# Altium PCB controller.PcbDoc (part 5 of 6)
Units mm, origin at the board's own origin, x right, y up, seen from the top; angles counter-clockwise.
Board outline 151 x 78 mm, 2 copper layers (Top Layer, Bottom Layer); 227 components, 202 nets, 805 pads, 125 vias.
Unrouted connection lines stored in the file: 1.
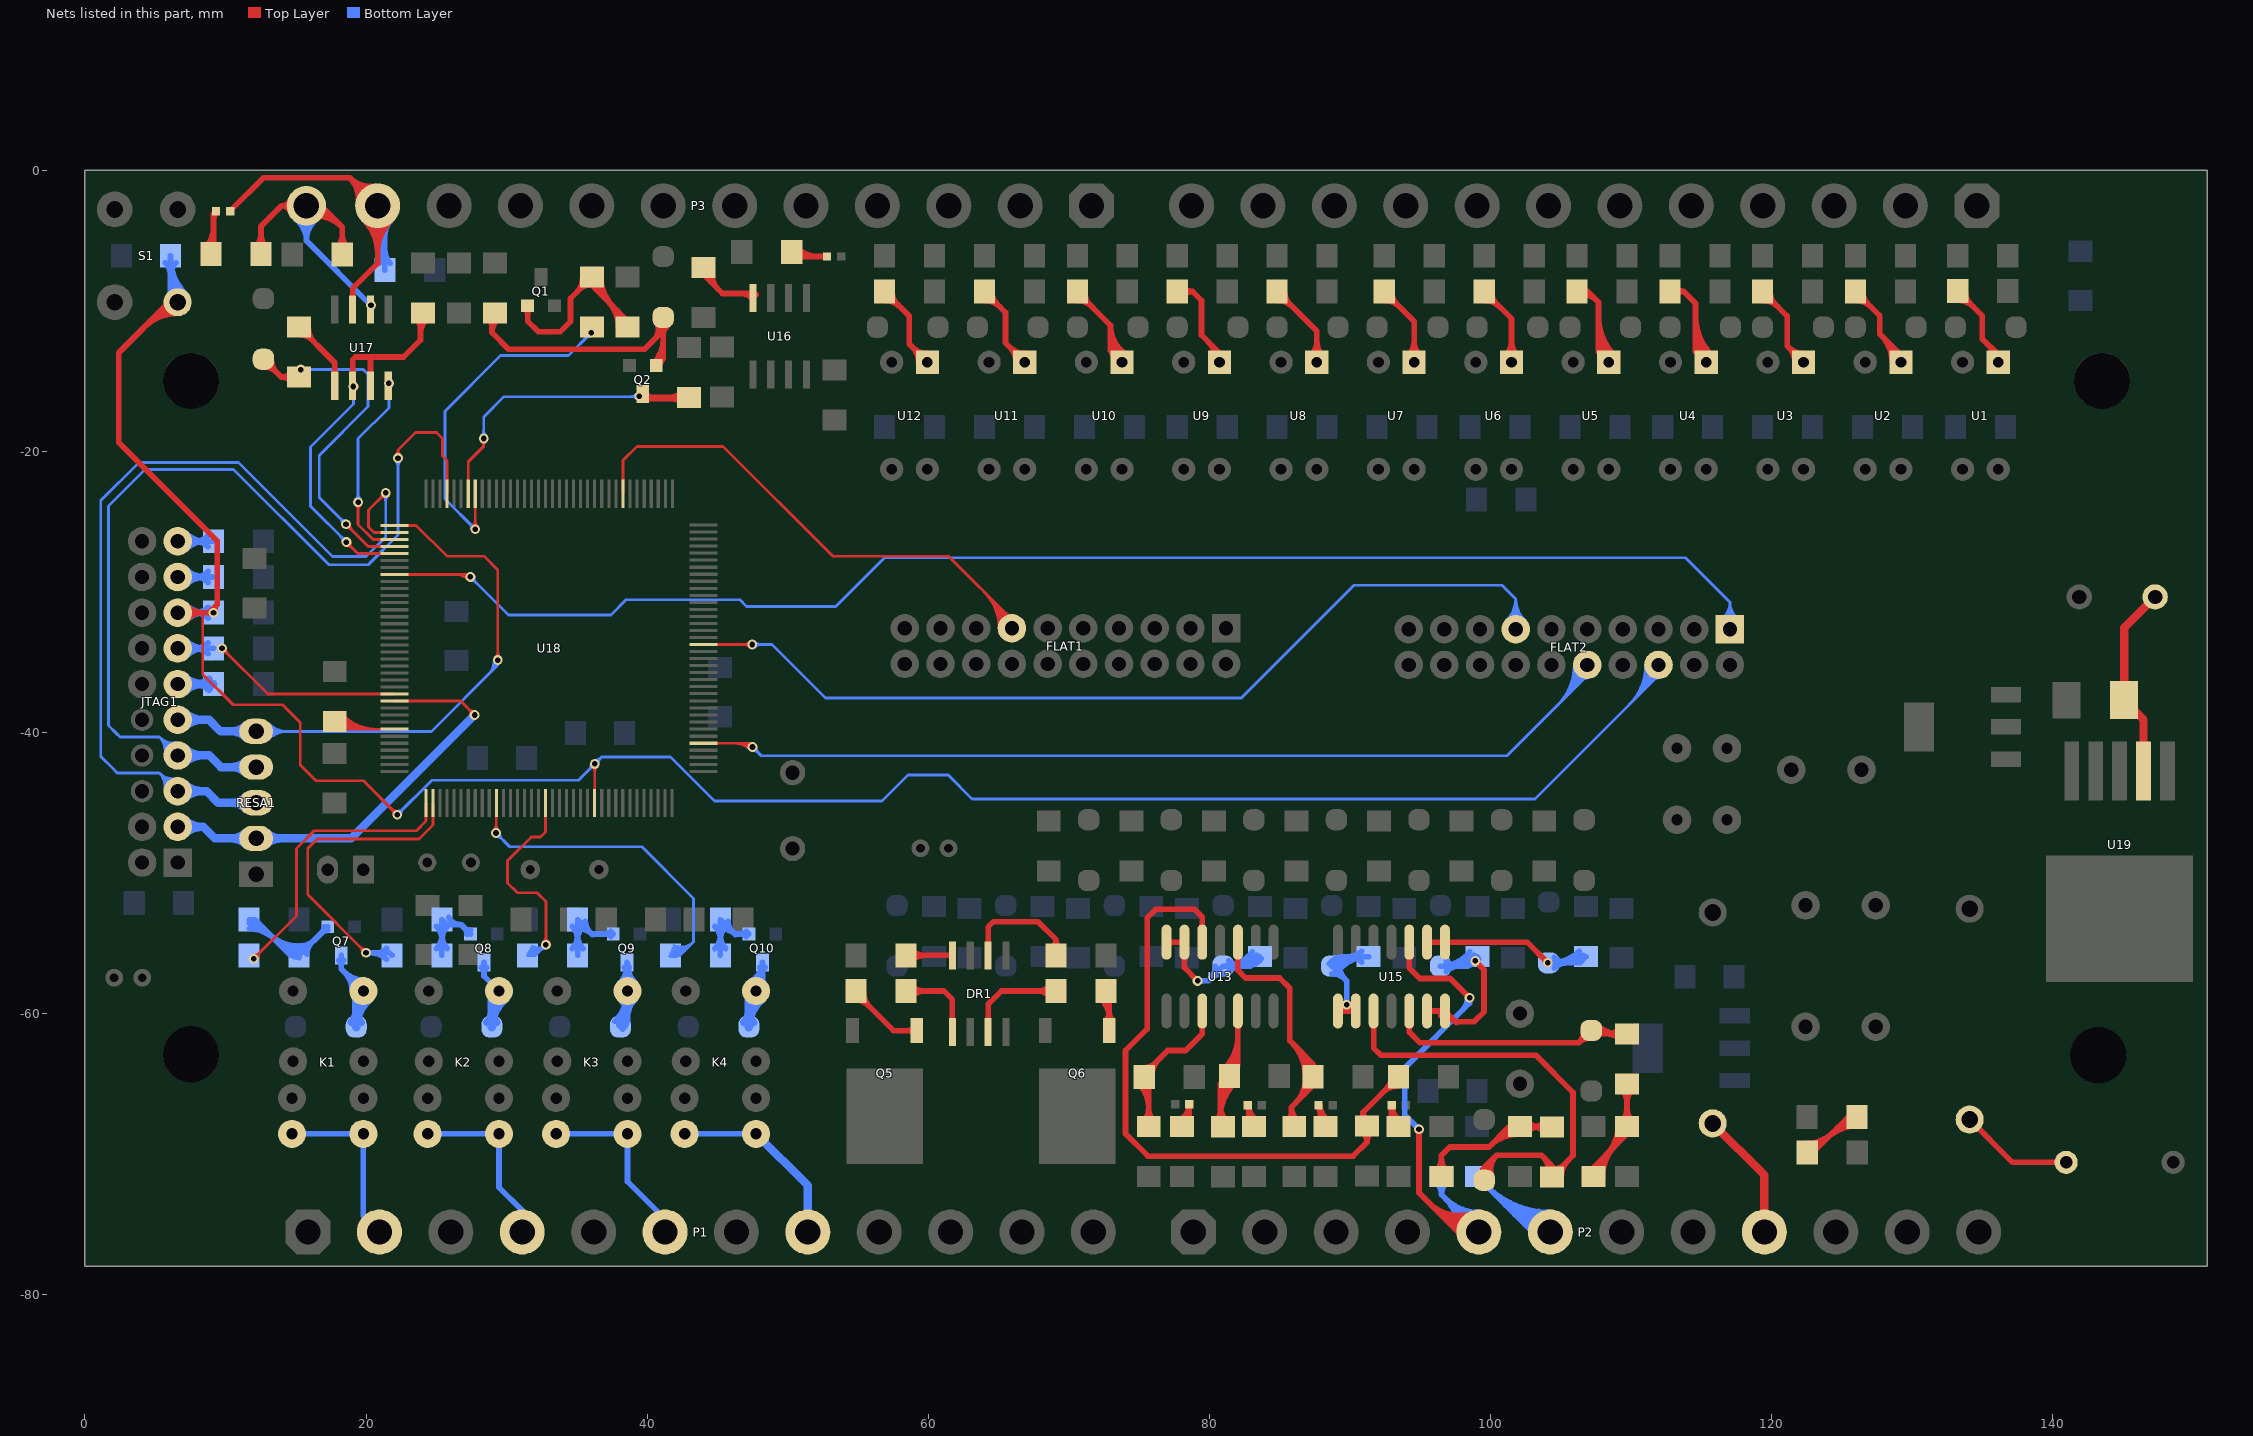
[diagram p5: the nets of this part, all layers, seen from the top]

## Via types
v1: diameter 0.7, hole 0.4, Top Layer to Bottom Layer, tented both sides, 124 vias
v2: diameter 0.8, hole 0.5, Top Layer to Bottom Layer, tented both sides, 1 vias

## Nets (pads, with @x,y where several pads share a name; then routed paths per layer and width w, separated by ;. In a path a pad name is that pad's centre, name@x,y a point inside that pad or via, vN(x,y) a via of type N, cw(c..) or ccw(c..) an arc to the next point about the centre after c; other vN are vias at no path point) (continued)
NetD16_1: D16.1 R52.2 U13.13 U13.14 | length 22
  Top Layer w0.4: U13.14@76.961,-54.941 U13.13@78.231,-54.941 78.231,-56.756 v1(79.175,-57.7) ; U13.14@77.067,-55.047 cw(c77.323,-55.303) 77.323,-54.941 cw(c77.323,-54.579) U13.14@77.067,-54.835 ; U13.13@78.125,-55.947 cw(c77.869,-56.203) 78.231,-56.203 cw(c78.593,-56.203) U13.13@78.337,-55.947 ; U13.13@78.125,-55.047 ccw(c77.869,-55.303) 77.869,-54.941 ccw(c77.869,-54.579) U13.13@78.125,-54.835 ; v1@79.025,-57.7 ccw(c78.663,-57.7) 78.919,-57.444 ccw(c79.175,-57.188) v1@79.175,-57.55
  Bottom Layer w0.4: v1(79.175,-57.7) 79.931,-57.7 D16.1@80.989,-56.642 ; v1@79.281,-57.806 cw(c79.537,-58.062) 79.537,-57.7 cw(c79.537,-57.338) v1@79.281,-57.594 ; 80.029,-57.601 ccw(c79.07,-56.642) D16.1@80.427,-56.642 ; 80.058,-57.572 cw(c80.977,-58.491) D16.1@80.977,-57.192 ; D16.1@81.39,-57.031 cw(c82.329,-57.97) 82.329,-56.642 cw(c82.329,-55.314) D16.1@81.39,-56.253 ; 81.811,-56.642 ccw(c81.811,-54.638) R52.2@83.388,-55.875 ; 82.633,-56.642 ccw(c82.633,-55.283) R52.2@83.703,-56.122 ; R52.2@83.073,-55.628 cw(c80.989,-53.993) D16.1@80.989,-56.642 ; R52.2@83.606,-55.967 82.931,-56.642 D16.1@80.989,-56.642
NetD21_2: D21.2 R63.2 U15.3 | length 41.8
  Top Layer w0.4: U15.3@91.587,-60.847 cw(c91.331,-61.103) 91.693,-61.103 cw(c92.055,-61.103) U15.3@91.799,-60.847 ; U15.3@91.693,-59.841 91.693,-62.468 92.217,-62.992 103.251,-62.992 105.888,-65.629 105.888,-70.134 104.648,-71.374 R63.2@104.648,-71.628 ; D21.2@99.323,-71.39 ccw(c99.125,-70.993) 99.568,-70.993 ; D21.2@99.345,-71.966 cw(c100.218,-71.655) 99.562,-70.999 ; D21.2@99.568,-71.882 99.568,-70.993 ; D21.2@99.721,-71.832 cw(c100.878,-71.42) 100.01,-70.551 ; D21.2@99.813,-71.39 cw(c100.011,-70.993) 99.568,-70.993 ; D21.2@100.098,-71.697 cw(c101.537,-71.184) 100.457,-70.104 ; 103.722,-70.194 cw(c102.608,-71.308) R63.2@104.153,-71.618 ; 104.25,-70.722 cw(c103.488,-71.485) R63.2@104.545,-71.697 ; R63.2@104.5,-71.098 ccw(c104.5,-70.074) 105.224,-70.798 ; R63.2@104.648,-71.12 103.632,-70.104 100.457,-70.104 ; R63.2@105.05,-71.648 cw(c106.682,-71.648) 105.528,-70.494 ; 99.568,-70.993 100.457,-70.104
NetD22_2: D22.2 R64.2 U15.5 | length 25.4
  Top Layer w0.4: U15.5@94.127,-60.847 cw(c93.871,-61.103) 94.233,-61.103 cw(c94.595,-61.103) U15.5@94.339,-60.847 ; U15.5@94.233,-59.841 94.233,-61.34 94.996,-62.103 106.299,-62.103 D22.2@107.188,-61.214 107.442,-61.468 R64.2@109.728,-61.468 ; D22.2@106.627,-61.247 cw(c105.523,-61.315) 106.305,-62.097 cw(c107.112,-62.904) D22.2@107.155,-61.764 ; D22.2@107.306,-61.108 ccw(c108.175,-60.239) 108.175,-61.468 ; D22.2@107.589,-61.603 cw(c107.915,-61.929) D22.2@107.915,-61.468 ; D22.2@107.589,-60.825 ccw(c109.141,-59.273) R64.2@109.141,-61.468 ; R64.2@109.239,-61.857 ccw(c108.3,-62.796) 108.3,-61.468 ccw(c108.3,-60.14) R64.2@109.239,-61.079
NetD23_1: D23.1 R65.2 U15.1 U15.2 | length 22.1
  Top Layer w0.4: U15.1@89.259,-59.947 cw(c89.515,-60.203) 89.515,-59.841 cw(c89.515,-59.479) U15.1@89.259,-59.735 ; v1@89.526,-59.423 ccw(c89.984,-59.381) 89.984,-59.841 ; 89.574,-59.841 ccw(c89.574,-59.39) v1@90.025,-59.413 ; v1@89.625,-59.392 cw(c89.153,-59.368) U15.1@89.153,-59.841 89.75,-59.841 ; v1(89.775,-59.4) 89.75,-59.425 89.75,-59.841 ; v1@89.924,-59.386 ccw(c90.423,-59.34) U15.2@90.423,-59.841 89.775,-59.841 89.75,-59.841 ; U15.2@90.317,-59.947 ccw(c90.061,-60.203) 90.061,-59.841 ccw(c90.061,-59.479) U15.2@90.317,-59.735
  Bottom Layer w0.4: D23.1@88.543,-56.482 cw(c89.639,-57.39) 89.639,-55.967 ; D23.1@88.735,-57.192 cw(c88.735,-58.491) 89.654,-57.572 ; D23.1@88.851,-56.738 cw(c90.49,-58.095) 90.49,-55.967 ; D23.1@89.159,-56.993 cw(c91.34,-58.801) R65.2@91.341,-55.967 89.398,-55.967 D23.1@88.723,-56.642 89.775,-57.694 v1(89.775,-59.4) ; D23.1@89.285,-56.642 ccw(c90.642,-56.642) 89.683,-57.601 ; v1@89.669,-59.294 ccw(c89.413,-59.038) 89.775,-59.038 ccw(c90.137,-59.038) v1@89.881,-59.294 ; R65.2@90.852,-56.356 ccw(c89.913,-57.295) 89.913,-55.967 ccw(c89.913,-54.64) R65.2@90.852,-55.578
NetD24_1: D24.1 R66.2 U15.6 U15.7 | length 23.1
  Top Layer w0.4: U15.6@95.503,-59.841 U15.7@96.773,-59.841 97.532,-60.6 98.85,-60.6 99.55,-59.9 99.55,-56.9 v1(98.925,-56.275) ; U15.6@95.609,-59.947 cw(c95.865,-60.203) 95.865,-59.841 cw(c95.865,-59.479) U15.6@95.609,-59.735 ; U15.7@96.473,-60.164 cw(c96.764,-60.724) 97.21,-60.278 ; U15.7@96.658,-60.519 cw(c97.028,-61.232) 97.596,-60.664 ; U15.7@96.667,-59.947 ccw(c96.411,-60.203) 96.411,-59.841 ccw(c96.411,-59.479) U15.7@96.667,-59.735 ; v1@98.925,-56.425 cw(c98.925,-56.787) 99.181,-56.531 cw(c99.437,-56.275) v1@99.075,-56.275
  Bottom Layer w0.4: D24.1@96.859,-57.031 cw(c97.798,-57.97) 97.798,-56.642 cw(c97.798,-55.314) D24.1@96.859,-56.253 ; 97.28,-56.642 ccw(c97.28,-54.638) R66.2@98.857,-55.875 ; 98.102,-56.642 ccw(c98.102,-55.283) R66.2@99.172,-56.122 ; R66.2@98.542,-55.628 cw(c96.458,-53.993) D24.1@96.458,-56.642 R66.2@98.401,-56.642 ; R66.2@98.925,-56.425 ccw(c98.925,-57.167) R66.2@98.4,-56.642 ; R66.2@99.075,-55.967 98.846,-56.196 R66.2@98.401,-56.642
NetD25_1: D25.1 R67.2 U15.8 U15.9 | length 20.7
  Top Layer w0.4: U15.9@95.503,-54.941 U15.8@96.773,-54.941 102.616,-54.941 v1(104.084,-56.409) ; U15.9@95.609,-55.047 cw(c95.865,-55.303) 95.865,-54.941 cw(c95.865,-54.579) U15.9@95.609,-54.835 ; U15.8@96.667,-55.047 ccw(c96.411,-55.303) 96.411,-54.941 ccw(c96.411,-54.579) U15.8@96.667,-54.835 ; U15.8@96.879,-55.047 cw(c97.135,-55.303) 97.135,-54.941 cw(c97.135,-54.579) U15.8@96.879,-54.835 ; v1@103.934,-56.409 ccw(c103.572,-56.409) 103.828,-56.153 ccw(c104.084,-55.897) v1@104.084,-56.259
  Bottom Layer w0.4: v1(104.084,-56.409) D25.1@104.15,-56.409 106.368,-56.409 R67.2@106.81,-55.967 ; D25.1@104.19,-56.515 cw(c104.446,-56.771) 104.446,-56.409 cw(c104.446,-56.047) D25.1@104.19,-56.303 ; D25.1@104.316,-56.409 ccw(c104.316,-53.573) R67.2@106.321,-55.578 ; D25.1@104.551,-56.798 cw(c105.49,-57.737) 105.49,-56.409 cw(c105.49,-55.081) D25.1@104.551,-56.02 ; 105.282,-56.409 ccw(c105.282,-54.539) R67.2@106.604,-55.861
NetD29_2: D29.2 Q2.1 R82.1 | length 33
  Top Layer w0.4: R82.1@28.686,-10.547 cw(c28.034,-11.199) 28.956,-11.199 ; 28.956,-11.561 cw(c30.212,-11.561) R82.1@29.421,-10.585 ; R82.1@28.956,-10.16 28.956,-11.556 30.15,-12.75 39.828,-12.75 40.002,-12.576 ; Q2.1@40.468,-13.718 ccw(c38.827,-12.077) 41.148,-12.077 ; 40.482,-12.096 ccw(c39.696,-11.311) D29.2@40.659,-10.758 ; Q2.1@40.65,-13.9 41.148,-13.402 41.148,-11.43 ; Q2.1@40.65,-13.643 ccw(c40.65,-13.022) 41.089,-13.461 ccw(c41.528,-13.9) Q2.1@40.907,-13.9 ; 40.65,-11.928 40.002,-12.576 ; Q2.1@40.751,-14.001 ccw(c39.792,-13.042) 41.148,-13.042 ; D29.2@40.759,-10.873 cw(c39.82,-11.812) 41.148,-11.812 cw(c42.476,-11.812) D29.2@41.537,-10.873 ; 40.851,-11.727 ccw(c40.165,-11.042) D29.2@41.006,-10.559 ; D29.2@41.148,-10.484 41.148,-11.43 ; 41.22,-11.358 ccw(c40.635,-10.772) D29.2@41.353,-10.359 ; 40.002,-12.576 41.148,-11.43 ; 41.148,-11.43 ccw(c40.61,-11.43) 40.876,-10.962 cw(c40.61,-11.43) 41.148,-11.43 ; 41.148,-11.43 cw(c41.686,-11.43) 41.42,-10.962 ccw(c41.686,-11.43) 41.148,-11.43
NetD31_1: D31.1 K1.5 Q7.3 | length 15.4
  Bottom Layer w0.4: Q7.3@18.055,-56.24 cw(c17.616,-56.679) 18.237,-56.679 cw(c18.858,-56.679) Q7.3@18.419,-56.24 ; Q7.3@18.237,-55.88 18.237,-56.845 K1.5@19.812,-58.42 ; K1.5@19.012,-58.42 ccw(c17.081,-58.42) 18.446,-57.054 ccw(c19.812,-55.689) K1.5@19.812,-57.62
  Bottom Layer w0.6: D31.1@18.986,-60.63 ccw(c18.218,-59.862) 19.304,-59.862 ccw(c20.39,-59.862) D31.1@19.622,-60.63 ; D31.1@19.304,-61.01 cw(c21.985,-61.01) K1.5@20.262,-58.956 ; D31.1@19.304,-60.96 19.304,-58.928 K1.5@19.812,-58.42 ; 19.304,-59.724 cw(c20.906,-59.724) K1.5@19.876,-58.497
NetD32_1: D32.1 K2.5 Q8.3 | length 11.6
  Bottom Layer w0.4: Q8.3@28.215,-56.748 cw(c27.776,-57.187) 28.397,-57.187 cw(c29.018,-57.187) Q8.3@28.579,-56.748 ; Q8.3@28.397,-56.388 28.397,-57.353 K2.5@29.464,-58.42
  Bottom Layer w0.6: D32.1@28.638,-60.63 ccw(c27.87,-59.862) 28.956,-59.862 ccw(c30.042,-59.862) D32.1@29.274,-60.63 ; D32.1@28.956,-61.01 cw(c31.637,-61.01) K2.5@29.914,-58.956 ; D32.1@28.956,-60.96 28.956,-58.928 K2.5@29.464,-58.42 ; 28.956,-59.724 cw(c30.558,-59.724) K2.5@29.528,-58.497
NetD33_1: D33.1 K3.5 Q9.3 | length 16.7
  Bottom Layer w0.4: D33.1@37.714,-60.556 ccw(c35.609,-58.42) K3.5@38.608,-58.42 ; D33.1@37.995,-60.841 ccw(c36.551,-59.376) K3.5@38.608,-59.376 ; K3.5@38.042,-58.986 cw(c36.677,-60.351) 38.608,-60.351 cw(c40.539,-60.351) K3.5@39.174,-58.986 ; K3.5@38.042,-57.854 ccw(c36.677,-56.489) 38.608,-56.489 ccw(c40.539,-56.489) K3.5@39.174,-57.854 ; D33.1@38.1,-60.96 38.608,-60.452 K3.5@38.608,-58.42 ; D33.1@38.275,-61.126 ccw(c37.493,-60.332) D33.1@38.608,-60.332 ; Q9.3@38.375,-56.748 cw(c37.814,-57.309) 38.608,-57.309 ; Q9.3@38.557,-56.388 38.608,-56.439 K3.5@38.608,-58.42 ; 38.608,-57.064 cw(c39.055,-57.064) Q9.3@38.739,-56.748
NetD34_1: D34.1 K4.5 Q10.3 | length 14.3
  Bottom Layer w0.4: K4.5@47.395,-57.704 ccw(c46.739,-56.388) Q10.3@48.209,-56.388 48.209,-57.963 K4.5@47.752,-58.42 ; K4.5@47.573,-58.062 ccw(c47.061,-57.035) 48.209,-57.035 ; Q10.3@48.027,-56.748 cw(c47.588,-57.187) 48.209,-57.187 cw(c48.83,-57.187) Q10.3@48.391,-56.748
  Bottom Layer w0.6: D34.1@46.926,-60.63 ccw(c46.158,-59.862) 47.244,-59.862 ccw(c48.33,-59.862) D34.1@47.562,-60.63 ; D34.1@47.244,-61.01 cw(c49.925,-61.01) K4.5@48.202,-58.956 ; D34.1@47.244,-60.96 47.244,-58.928 K4.5@47.752,-58.42 ; 47.244,-59.724 cw(c48.846,-59.724) K4.5@47.816,-58.497
NetD35_2: D35.2 L2.1 U19.2 | length 13.9
  Top Layer w0.6: U19.2@146.48,-42.776 146.48,-39.105 D35.2@145.1,-37.725 145.1,-32.582 L2.1@147.307,-30.375
NetD36_2: D36.2 R105.2 | length 13
  Top Layer w0.4: R105.2@122.552,-69.9 122.95,-69.9 125.475,-67.375 D36.2@126.098,-67.375 ; R105.2@122.552,-69.65 ccw(c122.552,-68.086) 123.658,-69.192 ; R105.2@122.552,-69.25 ccw(c122.552,-66.72) 124.341,-68.509 ; 123.925,-68.925 cw(c126.098,-71.098) D36.2@126.098,-68.025 ; 124.608,-68.242 cw(c126.098,-69.733) D36.2@126.098,-67.625 ; 125.291,-67.559 cw(c126.098,-68.367) D36.2@126.098,-67.225 ; D36.2@126.199,-67.476 D36.2@126.39,-67.285
NetDR1_2: DR1.2 R93.2 | length 10
  Top Layer w0.4: DR1.2@64.262,-55.88 64.262,-53.863 64.65,-53.475 67.8,-53.475 69.088,-54.763 ; R93.2@68.787,-55.32 ccw(c68.423,-54.763) 69.088,-54.763 ; R93.2@69.088,-55.88 69.088,-54.763 ; R93.2@69.389,-55.32 cw(c69.753,-54.763) 69.088,-54.763
NetDR1_4: DR1.4 R94.2 | length 5.4
  Top Layer w0.4: R94.2@58.42,-55.88 DR1.4@61.722,-55.88 ; R94.2@58.809,-56.269 cw(c59.748,-57.208) 59.748,-55.88 cw(c59.748,-54.552) R94.2@58.809,-55.491
NetDR1_5: DR1.5 R95.1 | length 7.9
  Top Layer w0.4: R95.1@58.42,-58.42 61.12,-58.42 61.722,-59.022 DR1.5@61.722,-61.32 ; R95.1@58.809,-58.809 cw(c59.748,-59.748) 59.748,-58.42 cw(c59.748,-57.092) R95.1@58.809,-58.031
NetDR1_7: DR1.7 R96.1 | length 9.3
  Top Layer w0.4: DR1.7@64.262,-61.32 64.262,-59.363 65.205,-58.42 R96.1@69.088,-58.42 ; R96.1@68.699,-58.809 ccw(c67.76,-59.748) 67.76,-58.42 ccw(c67.76,-57.092) R96.1@68.699,-58.031
NetF1_1: F1.1 RT1.2 | length 8.1
  Top Layer w0.4: F1.1@134.112,-67.564 137.16,-70.612 RT1.2@140.97,-70.612
NetJTAG1_17: JTAG1.17 R87.1 | length 7.7
  Bottom Layer w0.4: JTAG1.17@6.604,-28.956 R87.1@9.144,-28.956 ; JTAG1.17@7.181,-29.533 cw(c8.574,-30.926) 8.574,-28.956 cw(c8.574,-26.986) JTAG1.17@7.181,-28.379 ; R87.1@8.755,-29.345 ccw(c7.816,-30.284) 7.816,-28.956 ccw(c7.816,-27.628) R87.1@8.755,-28.567
NetJTAG1_19: JTAG1.19 R88.1 | length 7.7
  Bottom Layer w0.4: JTAG1.19@6.604,-26.416 R88.1@9.144,-26.416 ; JTAG1.19@7.181,-26.993 cw(c8.574,-28.386) 8.574,-26.416 cw(c8.574,-24.446) JTAG1.19@7.181,-25.839 ; R88.1@8.755,-26.805 ccw(c7.816,-27.744) 7.816,-26.416 ccw(c7.816,-25.088) R88.1@8.755,-26.027
NetQ1_2: Q1.1 R75.1 R78.1 | length 23.5
  Top Layer w0.4: Q1.1@31.314,-9.834 cw(c30.875,-10.273) 31.496,-10.273 cw(c32.117,-10.273) Q1.1@31.678,-9.834 ; Q1.1@31.496,-9.652 31.496,-10.746 32.25,-11.5 33.825,-11.5 34.55,-10.775 34.55,-9.138 R75.1@36.068,-7.62 36.068,-8.193 38.608,-10.733 R78.1@38.608,-11.176 ; 34.958,-8.73 ccw(c33.849,-7.62) R75.1@35.418,-7.62 ; 35.2,-8.488 cw(c35.968,-9.256) R75.1@35.968,-8.17 ; R75.1@36.318,-7.62 ccw(c38.305,-7.62) 36.9,-9.025 ; R75.1@36.718,-7.62 ccw(c39.671,-7.62) 37.583,-9.708 ; 37.185,-9.31 cw(c35.319,-11.176) R78.1@37.958,-11.176 ; 37.868,-9.993 cw(c36.685,-11.176) R78.1@38.358,-11.176
NetQ5_1: Q5.1 R95.2 | length 8.6
  Top Layer w0.4: R95.2@54.864,-59.07 cw(c54.864,-60.292) 55.728,-59.428 ; R95.2@54.864,-58.42 54.864,-58.564 57.532,-61.232 Q5.1@59.176,-61.232 ; R95.2@55.414,-58.52 ccw(c56.848,-58.52) 55.834,-59.534 ; Q5.1@58.999,-61.409 ccw(c58.572,-61.836) 58.572,-61.232 ccw(c58.572,-60.628) Q5.1@58.999,-61.055
NetQ6_1: Q6.1 R96.2 | length 6.9
  Top Layer w0.4: R96.2@72.255,-58.909 cw(c70.717,-60.447) Q6.1@72.892,-60.447 ; R96.2@72.538,-58.626 cw(c71.683,-59.481) 72.892,-59.481 ; R96.2@72.644,-58.42 72.892,-58.668 Q6.1@72.892,-61.232 ; Q6.1@72.715,-60.405 ccw(c72.288,-59.978) 72.892,-59.978 ccw(c73.496,-59.978) Q6.1@73.069,-60.405 ; R96.2@72.892,-59.249 cw(c73.373,-59.249) R96.2@73.033,-58.909
NetQ7_2: Q7.1 R97.1 R98.2 | length 18.7
  Bottom Layer w0.4: R98.2@11.684,-53.99 cw(c11.684,-56.527) 13.478,-54.733 ; R98.2@11.684,-53.59 cw(c11.684,-55.162) 12.795,-54.05 ; R98.2@11.684,-53.34 12.085,-53.34 14.625,-55.88 R97.1@15.24,-55.88 Q7.1@17.272,-53.848 ; 13.081,-54.336 ccw(c15.24,-52.176) 15.24,-55.23 ccw(c15.24,-53.661) 16.35,-54.77 ; 13.763,-55.018 ccw(c15.24,-53.542) R97.1@15.24,-55.63 ; 14.446,-55.701 ccw(c15.24,-54.907) R97.1@15.24,-56.03 ; R97.1@15.79,-55.78 cw(c16.876,-55.78) 16.108,-55.012 ; Q7.1@17.015,-53.848 cw(c16.394,-53.848) 16.833,-54.287 cw(c17.272,-54.726) Q7.1@17.272,-54.105
NetQ8_2: Q8.1 R99.1 R100.2 | length 11.2
  Bottom Layer w0.4: R99.1@25.011,-55.391 ccw(c24.072,-54.452) 25.4,-54.452 ccw(c26.728,-54.452) R99.1@25.789,-55.391 ; R100.2@25.011,-53.829 cw(c24.072,-54.768) 25.4,-54.768 cw(c26.728,-54.768) R100.2@25.789,-53.829 ; R99.1@25.4,-55.88 R100.2@25.4,-53.34 25.76,-53.7 26.776,-53.7 ; R100.2@25.881,-53.173 ccw(c26.776,-52.676) 26.776,-53.7 ; Q8.1@27.175,-54.356 ccw(c26.554,-54.356) 26.993,-53.917 ccw(c27.432,-53.478) Q8.1@27.432,-54.099 ; Q8.1@27.432,-54.356 26.776,-53.7
NetQ9_2: Q9.1 R101.1 R102.2 | length 12.7
  Bottom Layer w0.4: R101.1@34.663,-55.391 ccw(c33.724,-54.452) 35.052,-54.452 ccw(c36.38,-54.452) R101.1@35.441,-55.391 ; R102.2@34.663,-53.829 cw(c33.724,-54.768) 35.052,-54.768 cw(c36.38,-54.768) R102.2@35.441,-53.829 ; R101.1@35.052,-55.88 R102.2@35.052,-53.34 36.068,-54.356 Q9.1@37.592,-54.356 ; R102.2@35.069,-53.99 cw(c35.112,-55.412) 36.118,-54.406 ; R102.2@35.602,-53.44 ccw(c36.688,-53.44) 35.92,-54.208 ; Q9.1@37.41,-54.538 ccw(c36.971,-54.977) 36.971,-54.356 ccw(c36.971,-53.735) Q9.1@37.41,-54.174
NetQ10_2: Q10.1 R103.1 R104.2 | length 12.2
  Bottom Layer w0.4: R103.1@44.823,-55.391 ccw(c43.884,-54.452) 45.212,-54.452 ccw(c46.54,-54.452) R103.1@45.601,-55.391 ; R104.2@44.823,-53.829 cw(c43.884,-54.768) 45.212,-54.768 cw(c46.54,-54.768) R104.2@45.601,-53.829 ; R103.1@45.212,-55.88 R104.2@45.212,-53.34 46.228,-54.356 Q10.1@47.244,-54.356 ; R104.2@45.229,-53.99 cw(c45.272,-55.412) 46.278,-54.406 ; R104.2@45.762,-53.44 ccw(c46.848,-53.44) 46.08,-54.208 ; Q10.1@47.062,-54.538 ccw(c46.623,-54.977) 46.623,-54.356 ccw(c46.623,-53.735) Q10.1@47.062,-54.174
NetR7_2: R7.2 U1.1 | length 9.7
  Top Layer w0.4: R7.2@133.263,-9.266 cw(c133.263,-10.836) 134.372,-9.726 ; R7.2@133.263,-8.617 135,-10.354 135,-12 136.144,-13.144 U1.1@136.144,-13.67 ; R7.2@133.813,-8.717 ccw(c134.899,-8.717) 134.131,-9.485 ; 135.407,-12.407 cw(c134.171,-13.643) U1.1@135.919,-13.667
NetR8_2: R8.2 U2.1 | length 12
  Top Layer w0.4: R8.2@125.984,-9.286 cw(c125.984,-10.855) 127.094,-9.746 ; R8.2@125.984,-8.636 127.7,-10.352 127.7,-11.65 129.217,-13.167 U2.1@129.217,-13.67 ; R8.2@126.534,-8.736 ccw(c127.62,-8.736) 126.852,-9.504 ; 127.793,-11.743 cw(c125.866,-13.67) U2.1@128.591,-13.67 ; 128.476,-12.426 cw(c127.232,-13.67) U2.1@128.991,-13.67
NetR9_2: R9.2 U3.1 | length 10.7
  Top Layer w0.4: R9.2@119.38,-9.286 cw(c119.38,-10.855) 120.49,-9.746 ; R9.2@119.38,-8.636 121.125,-10.381 121.125,-12.506 U3.1@122.289,-13.67 ; R9.2@119.93,-8.736 ccw(c121.016,-8.736) 120.248,-9.504 ; U3.1@121.664,-13.67 ccw(c120.154,-13.67) 121.222,-12.602 ccw(c122.289,-11.535) U3.1@122.289,-13.045
NetR10_2: R10.2 U4.1 | length 15.3
  Top Layer w0.4: R10.2@112.776,-8.636 113.761,-8.636 ; R10.2@113.244,-8.925 cw(c113.761,-9.243) 113.761,-8.636 ; R10.2@113.244,-8.347 ccw(c113.761,-8.029) 113.761,-8.636 ; 114.6,-12.251 ccw(c116.781,-12.251) U4.1@115.239,-13.793 ; 114.6,-11.286 ccw(c117.747,-11.286) U4.1@115.522,-13.511 ; 114.6,-10.32 ccw(c118.712,-10.32) U4.1@115.804,-13.228 ; U4.1@115.362,-13.67 114.6,-12.908 114.6,-9.475 113.761,-8.636
NetR11_2: R11.2 U5.1 | length 16.8
  Top Layer w0.4: R11.2@106.122,-8.491 cw(c106.333,-9.526) 107.079,-8.779 ; R11.2@106.172,-8.636 106.936,-8.636 ; R11.2@106.202,-8.883 cw(c106.51,-10.4) 107.605,-9.305 ; R11.2@106.694,-8.81 cw(c106.936,-8.892) 106.936,-8.636 ; R11.2@106.694,-8.462 ccw(c106.936,-8.38) 106.936,-8.636 ; 107.7,-12.317 ccw(c109.788,-12.317) U5.1@108.312,-13.793 ; 107.7,-11.351 ccw(c110.753,-11.351) U5.1@108.594,-13.511 ; 107.7,-10.386 ccw(c111.719,-10.386) U5.1@108.877,-13.228 ; U5.1@108.435,-13.67 107.7,-12.935 107.7,-9.4 106.936,-8.636
NetR12_2: R12.2 U6.1 | length 10.3
  Top Layer w0.4: R12.2@99.568,-9.286 cw(c99.568,-10.855) 100.678,-9.746 ; R12.2@99.568,-8.636 101.508,-10.576 U6.1@101.508,-13.67 ; R12.2@100.118,-8.736 ccw(c101.204,-8.736) 100.436,-9.504 ; U6.1@101.065,-13.228 ccw(c99.998,-12.16) 101.508,-12.16 ccw(c103.018,-12.16) U6.1@101.95,-13.228
NetR25_2: R25.2 U7.1 | length 10.4
  Top Layer w0.4: R25.2@92.456,-9.286 cw(c92.456,-10.855) 93.566,-9.746 ; R25.2@92.456,-8.636 94.58,-10.76 U7.1@94.58,-13.67 ; R25.2@93.006,-8.736 ccw(c94.092,-8.736) 93.324,-9.504 ; U7.1@94.138,-13.228 ccw(c93.07,-12.16) 94.58,-12.16 ccw(c96.09,-12.16) U7.1@95.023,-13.228
NetR26_2: R26.2 U8.1 | length 10.7
  Top Layer w0.4: R26.2@84.836,-9.286 cw(c84.836,-10.855) 85.946,-9.746 ; R26.2@84.836,-8.636 87.653,-11.453 U8.1@87.653,-13.67 ; R26.2@85.386,-8.736 ccw(c86.472,-8.736) 85.704,-9.504 ; U8.1@87.211,-13.228 ccw(c86.143,-12.16) 87.653,-12.16 ccw(c89.163,-12.16) U8.1@88.095,-13.228
NetR27_2: R27.2 U9.1 | length 10.1
  Top Layer w0.4: R27.2@77.724,-8.636 78.811,-8.636 79.45,-9.275 79.45,-11.75 80.726,-13.026 U9.1@80.726,-13.67 ; R27.2@78.167,-8.962 cw(c78.811,-9.435) 78.811,-8.636 cw(c78.811,-7.837) R27.2@78.167,-8.31 ; 79.885,-12.185 cw(c78.4,-13.67) U9.1@80.5,-13.67
NetR28_2: R28.2 U10.1 | length 14.5
  Top Layer w0.4: R28.2@70.612,-9.286 cw(c70.612,-10.732) 71.635,-9.71 ; R28.2@70.612,-8.636 70.612,-8.687 72.975,-11.05 ; R28.2@71.162,-8.736 ccw(c72.372,-8.736) 71.516,-9.591 ; 72.975,-12.497 ccw(c74.535,-12.497) U10.1@73.706,-13.818 ; 72.975,-11.773 ccw(c74.989,-11.773) U10.1@73.918,-13.479 ; U10.1@73.799,-13.67 72.975,-12.847 72.975,-11.05 ; U10.1@74.131,-13.14 cw(c75.443,-11.05) 72.975,-11.05
NetR29_2: R29.2 U11.1 | length 10.7
  Top Layer w0.4: R29.2@64.008,-9.286 cw(c64.008,-10.855) 65.118,-9.746 ; R29.2@64.008,-8.636 65.5,-10.128 65.5,-12.299 U11.1@66.871,-13.67 ; R29.2@64.558,-8.736 ccw(c65.644,-8.736) 64.876,-9.504 ; U11.1@66.246,-13.67 ccw(c64.736,-13.67) 65.803,-12.602 ccw(c66.871,-11.535) U11.1@66.871,-13.045
NetR30_2: R30.2 U12.1 | length 10.8
  Top Layer w0.4: R30.2@56.896,-9.286 cw(c56.896,-10.855) 58.006,-9.746 ; R30.2@56.896,-8.636 58.65,-10.39 58.65,-12.376 U12.1@59.944,-13.67 ; R30.2@57.446,-8.736 ccw(c58.532,-8.736) 57.764,-9.504 ; U12.1@59.318,-13.67 ccw(c57.808,-13.67) 58.876,-12.602 ccw(c59.944,-11.535) U12.1@59.944,-13.045
NetR37_1: R37.1 W1.2 | length 4.2
  Top Layer w0.4: R37.1@77.9,-67.577 ccw(c77.338,-66.475) W1.2@78.575,-66.475 ; R37.1@78.05,-68.067 78.575,-67.542 W1.2@78.575,-66.475 ; R37.1@78.082,-67.933 ccw(c77.671,-67.128) 78.575,-67.128
NetR38_1: R38.1 W2.2 | length 4.1
  Top Layer w0.4: W2.2@82.679,-66.621 cw(c82.359,-66.941) 82.812,-66.941 ; 82.812,-67.296 ccw(c83.587,-67.296) R38.1@83.158,-67.942 ; W2.2@82.812,-66.548 W2.2@82.812,-66.55 ; R38.1@83.312,-68.072 83.241,-68.001 82.812,-67.572 W2.2@82.812,-66.55 ; R38.1@83.38,-67.609 cw(c84.084,-66.55) W2.2@82.812,-66.55
NetR39_1: R39.1 W3.2 | length 4.3
  Top Layer w0.4: W3.2@87.704,-66.621 cw(c87.251,-67.074) 87.892,-67.074 ; 87.892,-67.278 ccw(c88.676,-67.278) R39.1@88.255,-67.94 ; W3.2@87.892,-66.548 W3.2@87.892,-66.55 ; R39.1@88.392,-68.072 88.331,-68.011 87.892,-67.572 W3.2@87.892,-66.55 ; R39.1@88.47,-67.603 cw(c89.14,-66.55) W3.2@87.892,-66.55
NetR40_1: R40.1 W4.2 | length 3.9
  Top Layer w0.4: 92.972,-67.19 ccw(c93.805,-67.19) R40.1@93.438,-67.937 ; R40.1@93.472,-68.072 92.972,-67.572 W4.2@92.972,-66.548 ccw(c94.119,-66.548) R40.1@93.614,-67.578
NetR41_2: R41.2 R45.2 U13.3 | length 18.7
  Top Layer w0.4: R45.2@74.988,-65.014 cw(c73.289,-66.713) 75.692,-66.713 ; R45.2@75.271,-64.731 cw(c74.254,-65.748) 75.692,-65.748 ; R41.2@75.303,-67.683 ccw(c74.364,-66.744) 75.692,-66.744 ccw(c77.02,-66.744) R41.2@76.081,-67.683 ; R45.2@75.377,-63.875 ccw(c75.377,-62.793) 76.142,-63.558 ; R41.2@75.692,-68.072 75.692,-65.024 75.285,-64.617 75.184,-64.516 75.276,-64.424 77.05,-62.65 78.325,-62.65 79.501,-61.474 U13.3@79.501,-59.841 ; R45.2@75.927,-64.425 cw(c77.501,-64.425) 76.388,-63.312 ; U13.3@79.395,-60.847 cw(c79.139,-61.103) 79.501,-61.103 cw(c79.863,-61.103) U13.3@79.607,-60.847